# Altium PCB LimePSB-RPCM_1v2.PcbDoc (part 9 of 10)
Units mm, origin at the board's own origin, x right, y up, seen from the top; angles counter-clockwise.
Board outline 170 x 110 mm, 6 copper layers (Top, L2, L3, L4, L5, Bottom), stack 1.583 mm thick; 800 components, 483 nets, 3453 pads, 1534 vias.
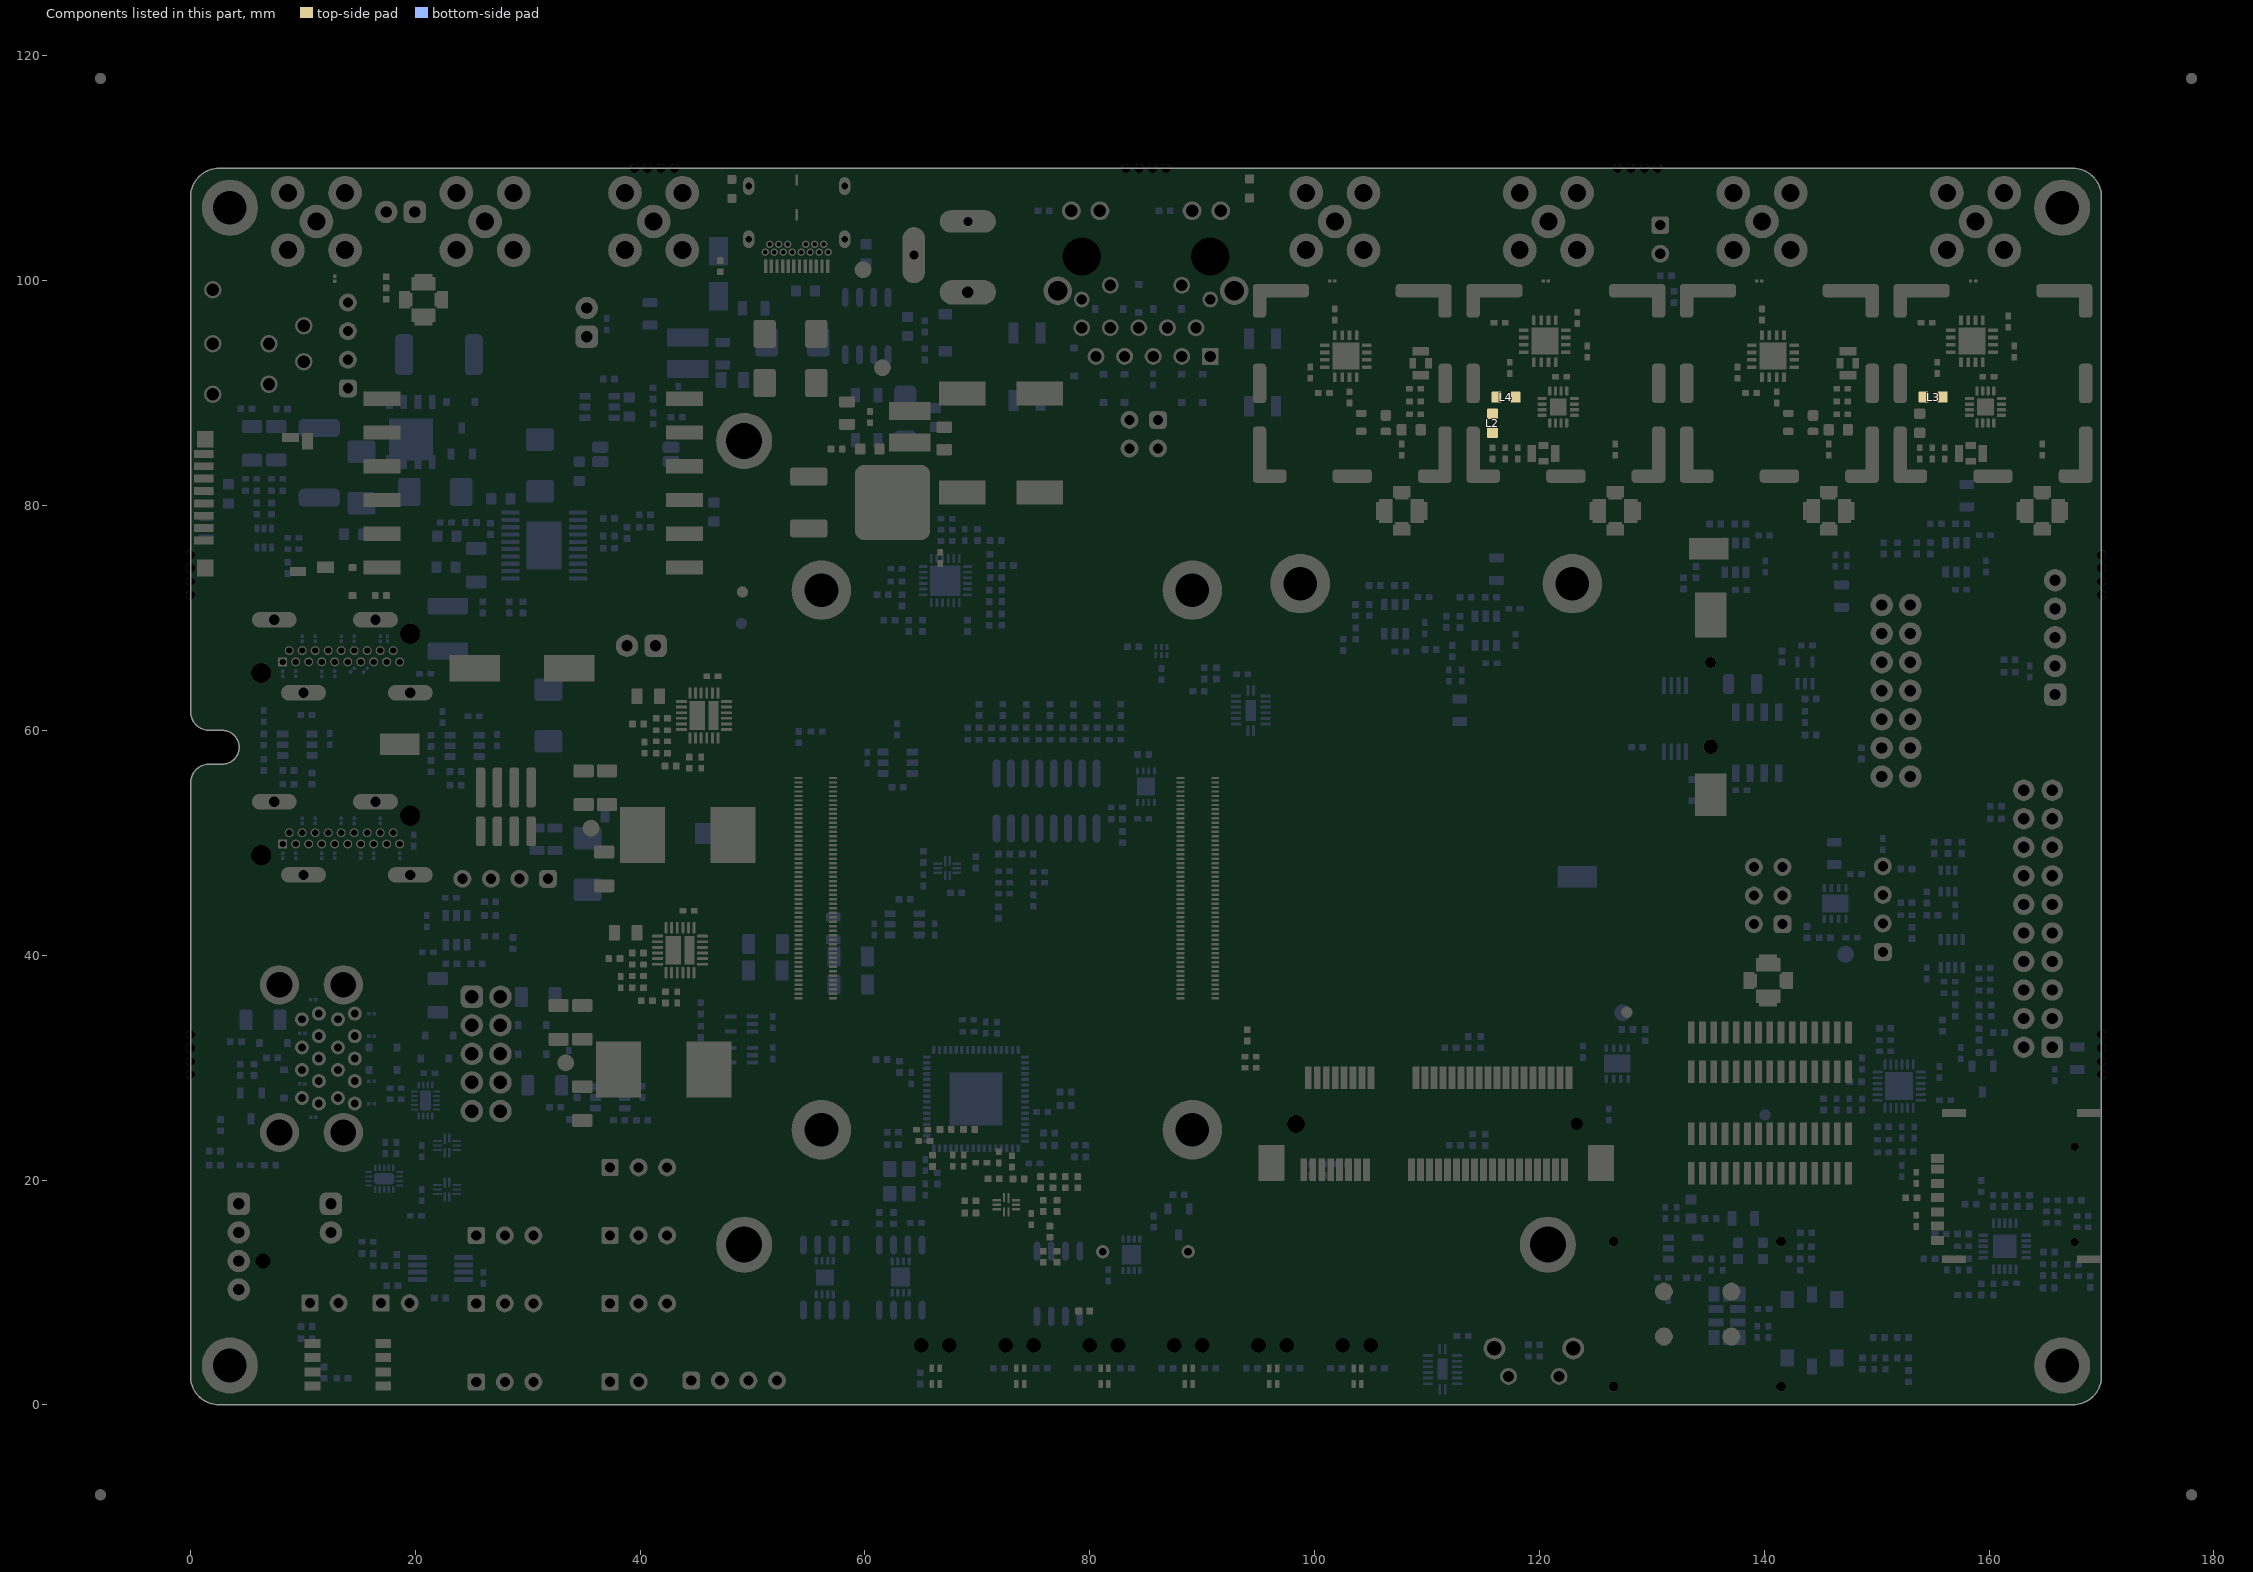
[diagram p13: the components of this part, seen from the top]

## Other copper
Top:
  pour cut-out: 119.275,94.125 119.275,93.225 118.6,93.225 ccw(c118.6,93) 118.375,93 118.375,91.75 ccw(c119.9,91.75) 119.9,90.225 121.175,90.225 121.175,87.75 119.065,87.75 cw(c119.065,90.29) 116.525,90.29 116.525,93.025 cw(c117.625,93.025) 117.625,94.125
  pour cut-out: 122.125,90.225 124.273,90.225 cw(c124.273,87.685) 126.069,89.481 127.081,88.469 cw(c125.285,86.673) 127.825,86.673 127.825,79.925 125.65,79.925 125.65,85.95 ccw(c123.9,85.95) 123.9,87.7 122.125,87.7
  pour cut-out: 119.75,105.3 119.75,99.15 ccw(c121.575,99.15) 121.575,97.325 122,97.325 cw(c122,96.525) 122.8,96.525 122.8,95.475 cw(c122.75,95.475) 122.75,95.425 121.675,95.425 121.675,94.475 123.3,94.475 ccw(c123.3,95.975) 124.8,95.975 124.8,97.025 ccw(c122.775,97.025) 122.775,99.05 cw(c122.775,99.975) 121.85,99.975 121.85,105.3
  pour cut-out: 10.125,104.4 10.125,101.415 ccw(c12.665,101.415) 12.665,98.875 14,98.875 cw(c14,97.668) 14.854,98.521 15.281,98.094 ccw(c17.077,99.89) 17.077,97.35 20.225,97.35 20.225,99.325 18.975,99.325 cw(c18.975,99.6) 18.7,99.6 18.7,106.45 ccw(c17.675,106.45) 17.675,107.475 17.1,107.475 ccw(c17.1,106.45) 16.075,106.45 16.075,103.475 cw(c13.825,103.475) 13.825,101.225 cw(c13.825,102.8) 12.25,102.8 12.25,104.4
  pour cut-out: 140.625,92.075 141.575,92.075 141.575,90.975 142.3,90.975 142.3,89.475 ccw(c142.975,89.475) 142.975,88.8 cw(c142.975,88.575) 143.2,88.575 143.2,87.575 cw(c142.825,87.575) 142.825,87.2 142.025,87.2 cw(c142.025,89.025) 140.2,89.025 140.2,90.107 cw(c140.968,90.107) 140.425,90.65 140.448,90.673 ccw(c140.021,91.1) 140.625,91.1
  pour cut-out: 141.275,94.5 141.275,95.875 cw(c142.775,95.875) 142.775,97.375 155.076,97.375 cw(c155.076,96.351) 155.8,97.075 ccw(c156.524,97.799) 156.524,96.775 157.275,96.775 157.275,95.125 156.175,95.125 156.175,95.05 cw(c155.95,95.05) 155.95,94.825 155.562,94.825 cw(c155.562,95.337) 155.2,94.975 ccw(c154.717,94.492) 154.717,95.175 142.675,95.175 ccw(c142.675,94.975) 142.475,94.975 142.475,94.5
  pour cut-out: 143.575,87.525 146.325,87.525 cw(c146.325,87.075) 146.775,87.075 146.775,79.95 144.7,79.95 144.7,84.975 ccw(c143.575,84.975) 143.575,86.1
  pour cut-out: 157.75,105.3 157.75,99.15 ccw(c159.575,99.15) 159.575,97.325 160,97.325 cw(c160,96.525) 160.8,96.525 160.8,95.475 cw(c160.75,95.475) 160.75,95.425 159.675,95.425 159.675,94.475 161.3,94.475 ccw(c161.3,95.975) 162.8,95.975 162.8,97.025 ccw(c160.775,97.025) 160.775,99.05 cw(c160.775,99.975) 159.85,99.975 159.85,105.3
  pour cut-out: 157.275,94.125 157.275,93.225 156.6,93.225 ccw(c156.6,93) 156.375,93 156.375,91.75 ccw(c157.9,91.75) 157.9,90.225 159.175,90.225 159.175,87.75 157.065,87.75 cw(c157.065,90.29) 154.525,90.29 154.525,93.025 cw(c155.625,93.025) 155.625,94.125
  pour cut-out: 160.125,90.225 162.273,90.225 cw(c162.273,87.685) 164.069,89.481 165.081,88.469 cw(c163.285,86.673) 165.825,86.673 165.825,79.925 163.65,79.925 163.65,85.95 ccw(c161.9,85.95) 161.9,87.7 160.125,87.7
  pour cut-out: 105.575,87.525 108.325,87.525 cw(c108.325,87.075) 108.775,87.075 108.775,79.95 106.7,79.95 106.7,84.975 ccw(c105.575,84.975) 105.575,86.1
  pour cut-out: 103.275,94.5 103.275,95.875 cw(c104.775,95.875) 104.775,97.375 117.076,97.375 cw(c117.076,96.351) 117.8,97.075 ccw(c118.524,97.799) 118.524,96.775 119.275,96.775 119.275,95.125 118.175,95.125 118.175,95.05 cw(c117.95,95.05) 117.95,94.825 117.562,94.825 cw(c117.562,95.337) 117.2,94.975 ccw(c116.717,94.492) 116.717,95.175 104.675,95.175 ccw(c104.675,94.975) 104.475,94.975 104.475,94.5
  pour cut-out: 102.625,92.075 103.575,92.075 103.575,90.975 104.3,90.975 104.3,89.475 ccw(c104.975,89.475) 104.975,88.8 cw(c104.975,88.575) 105.2,88.575 105.2,87.575 cw(c104.825,87.575) 104.825,87.2 104.025,87.2 cw(c104.025,89.025) 102.2,89.025 102.2,90.107 cw(c102.968,90.107) 102.425,90.65 102.448,90.673 ccw(c102.021,91.1) 102.625,91.1
  region net VCC3P3: 65.275,24.475 66.1,25.3 66.525,25.3 66.975,24.85 66.975,24.2 65.275,24.2
  region net VCC5P0_RFA: 121.915,93.825 122.765,93.825 123.09,93.5 123.09,90.965 122.95,90.825 122.05,90.825 121.915,90.96 121.915,91.15
  region net VCC5P0_TXA_PA: 121.05,85.4 122.25,85.4 122.475,85.175 122.475,84.1 122.25,83.875 121.05,83.875
  region net VCC_BARREL: 56.425,99.45 65.1,99.45 66.05,100.4 71.4,100.4 72.3,99.5 72.3,97.1 69.2,94 54.6,94 54.4,94.2 54.4,97.425
  region net VCC3P3: 33.625,27.175 31.825,28.975 31.825,33.025 33.275,34.475 40.2,34.475 41.15,33.525 41.15,27.175
  region net VCC3P3: 56.8,40.775
  region net VCC3P3: 56.8,40.775 57.575,40.775 57.875,41.075 57.875,43.85 58.125,44.1 58.95,44.1 59.2,43.85 59.2,41.125 58.45,40.375 56.8,40.375 56.75,40.425 56.75,40.725
  region net VCC3P3: 57.725,42.7 57.925,42.9 57.925,40.7 57.825,40.6 57.725,40.7
  region net VCC12P0_POE: 63.625,87.6 71.075,87.6 72.025,88.55 72.025,93.375 71.6,93.8 54.8,93.8 54.3,93.3 54.3,89.425 55.675,88.05 63.175,88.05
  region net NetC207_2: 60.7,84.725 59.1,83.125 59.1,77.4 61.15,75.35 69.35,75.35 70.775,76.775 70.775,84.525 69.1,86.2 66.35,86.2 66.15,86.4 60.825,86.4 60.7,86.275
  region net NetD4_1: 42.2,82.1 50.1,82.1 53.5,85.5 57.15,85.5 57.4,85.25 57.4,76.75 56.525,75.875 54.475,75.875 52.3,73.7 42.45,73.7 42.2,73.95
  pour cut-out: 16.55,92.25 32.425,92.25 37.575,87.1 37.575,64.925 35.95,63.3 22.07,63.3 20.524,64.845 20.524,68.859 18.678,70.706 13.719,70.706 13.125,71.3 13.125,87.675 14.925,89.475 14.925,90.625
  region net NetF1_2: 50.3,89.475 49.425,90.35 49.425,96.65 50.45,97.675 52.325,97.675 53.475,96.525 53.475,90.375 52.575,89.475
  pour cut-out: 138.75,105.275 138.75,94.5 140.275,94.5 140.275,95.6 140.85,95.6 140.85,105.275
  pour cut-out: 100.75,105.275 100.75,94.5 102.275,94.5 102.275,95.6 102.85,95.6 102.85,105.275
  region net VCC5P0: 35.75,48.05 36.5,47.3 38.225,47.3 41,44.525 45.625,44.525 47.25,42.9 47.25,40.8 49.675,38.375 54.725,38.375 54.9,38.55 54.9,40.4 54.55,40.75 53.375,40.75 51.825,42.3 51.825,45.35 49.325,47.85 45.875,47.85 42.825,50.9 36.875,50.9 35.75,49.775
  region net SCAP_TEMP: 26.325,48.15 25.475,47.3 25.475,46.475 24.7,45.7 22.275,45.7 21.8,46.175 21.8,48.775 22.225,49.2 22.225,56.3 23.3,57.375 25.775,57.375 26.325,56.825
  region net VCC_SCAP: 29.475,48.35 30.525,47.3 30.525,46.475 31.3,45.7 33.725,45.7 34.2,46.175 34.2,48.775 33.725,49.25 33.725,56.35 32.7,57.375 30.225,57.375 29.475,56.625
  region net VCC5P0_TXB_PA: 159.05,85.4 160.25,85.4 160.475,85.175 160.475,84.1 160.25,83.875 159.05,83.875
  region net GNDE2: 22,64.05 21.25,64.8 21.25,73.775 22.8,75.325 22.8,75.85 22.65,76 15.925,76 15.35,76.575 15.35,78.575 16.1,79.325 25.325,79.325 27.55,77.1 27.55,64.375 27.225,64.05
  region net NetD3_A: 19.375,84.275 19.525,84.125 19.525,79.875 19.375,79.725 15.575,79.725 15.3,80 15.3,84.05 15.525,84.275
  region: 29.225,66.75
  region net POE_IN+: 29.75,64.35 35.95,64.35 36.45,64.85 36.45,86.075 31.125,91.4 16.525,91.4 15.35,90.225 15.35,85.95 16.275,85.025 20.3,85.025 28.3,77.025 28.3,65.8
  region net VCC5P0_RXB_LNA: 146.675,93.325 146.675,94.3 146.75,94.375 147.44,94.375 147.44,93.325
  region net VCC5P0_RXB_LNA: 148.205,93.325 148.205,94.3 148.13,94.375 147.44,94.375 147.44,93.325
  region net VCC5P0_RFA: 101.975,91.85 101.975,91 101.65,90.675 98.875,90.675 98.725,90.825 98.725,91.725 98.85,91.85 99.3,91.85
  region net VCC5P0_RXA_LNA: 108.675,93.325 108.675,94.3 108.75,94.375 109.44,94.375 109.44,93.325
  region net VCC5P0_RXA_LNA: 110.205,93.325 110.205,94.3 110.13,94.375 109.44,94.375 109.44,93.325
  region net VCC5P0_RFB: 139.975,91.85 139.975,91 139.65,90.675 136.875,90.675 136.725,90.825 136.725,91.725 136.85,91.85 137.3,91.85
  region net VCC5P0_RFB: 159.915,93.825 160.765,93.825 161.09,93.5 161.09,90.965 160.95,90.825 160.05,90.825 159.915,90.96 159.915,91.15
  region net NetC241_2: 46.25,59.875 46.075,60.05 46.075,62.6 46.3,62.825 46.3,63.05 46.55,63.05 46.55,62.825 46.975,62.4 46.975,60.4 47.175,60.2 49.025,60.2 51.275,57.95 51.275,48.2 46.25,48.2
  region net NetC247_1: 42.125,59.325 43.8,59.325 44.3,59.825 44.55,59.825 44.55,58.75 43.325,57.525 42.125,57.525
  region net GND: 46.8,62.812 46.8,64.037 47.025,64.262 48.35,64.262 48.9,63.712 48.9,60.887 48.45,60.437 47.175,60.437 47.175,62.762 47.125,62.812
  region net VCC_INT: 41.225,63.937 41.225,61.915 44.175,61.915 44.175,62.7 44.3,62.825 45.575,62.825 45.575,64.4 45.3,64.675 41.963,64.675
  region net VCC5P0: 35.75,48.05 34.075,49.725 34.075,53.925 35.5,55.35 42.325,55.35 43.275,54.4 43.275,48.05
  region net GND: 44.675,41.937 44.675,43.162 44.9,43.387 46.225,43.387 46.775,42.837 46.775,40.012 46.325,39.562 45.05,39.562 45.05,41.887 45,41.937
  region net NetC238_1: 40,38.45 41.675,38.45 42.175,38.95 42.425,38.95 42.425,37.875 41.2,36.65 40,36.65
  region net NetC229_2: 44.125,39 43.95,39.175 43.95,41.725 44.175,41.95 44.175,42.175 44.425,42.175 44.425,41.95 44.85,41.525 44.85,39.525 45.05,39.325 46.9,39.325 49.15,37.075 49.15,27.325 44.125,27.325
  region net VCC_INT: 39.1,43.062 39.1,41.04 42.05,41.04 42.05,41.825 42.175,41.95 43.45,41.95 43.45,43.525 43.175,43.8 39.838,43.8
L2:
  pour cut-out: 18.525,97.285 18.525,99.36 20.075,99.36 20.075,97.285
  pour cut-out: 163.7,81.725 165.775,81.725 165.775,80.175 163.7,80.175
  pour cut-out: 144.7,81.725 146.775,81.725 146.775,80.175 144.7,80.175
  pour cut-out: 125.7,81.725 127.775,81.725 127.775,80.175 125.7,80.175
  pour cut-out: 106.7,81.725 108.775,81.725 108.775,80.175 106.7,80.175
L3:
  region net VCC3P3: 99.75,30.375 100.675,31.3 101.625,31.3 103.725,29.2 106.475,29.2 109.075,26.6 111.425,26.6 111.7,26.875 111.7,28.075 105.7,34.075 100.1,34.075 98.65,32.625 98.65,30.625 98.9,30.375
  region net ETH_VC2: 95,94.4 94.8,94.2 93.525,94.2 93.325,94.4 93.325,96.11 93.725,96.51 94.55,96.51 95,96.06
  region net ETH_VC3: 74.75,94.925 74.975,94.7 76.15,94.7 76.45,95 76.425,95.025 76.425,96.425 76.025,96.825 75.2,96.825 74.75,96.375
  region net VCC5P0_RXA_LNA: 111.975,94.375 112.55,93.8 111.975,93.225 109.325,93.225 108.775,93.775 108.775,94.175 108.975,94.375
  region net VCC5P0_RXA_LNA: 111.5,92.05 110.25,93.3 110.25,93.575 110.475,93.8 112.55,93.8 112.55,92.9 111.7,92.05
  region net VCC5P0_RXB_LNA: 149.5,92.05 148.25,93.3 148.25,93.575 148.475,93.8 150.55,93.8 150.55,92.9 149.7,92.05
  region net VCC5P0_RXB_LNA: 149.975,94.375 150.55,93.8 149.975,93.225 147.325,93.225 146.775,93.775 146.775,94.175 146.975,94.375
  text "A" at 1.45,7.65 h0.7
  text "V" at 2.45,7.65 h0.7
  text "D" at 3.55,7.65 h0.7
  text "R" at 4.1,7.65 h0.7
  text "L" at 1.925,7.075 h0.7
L4:
  region net USB_VBUS_IN: 55.5,102.25 55.9,101.85 61.625,101.85 63.2,100.275 63.2,98.05 62.95,97.8 61.425,97.8 59.375,99.85 56.025,99.85 55.5,100.375
  region net USB_VBUS_IN: 52.575,102.875 52.35,102.65 52.35,101.5 51.975,101.125 52.775,100.325 55.35,100.325 55.85,100.825 55.85,101.275 55.5,101.625 55.5,102.675 55.275,102.9 54.975,102.9 54.75,102.675 54.75,102.35 54.4,102 53.4,102 53.1,102.3 53.1,102.65 52.875,102.875
  region net GNDE1: 39.175,79.025 39.725,78.475 39.725,76.425 39.425,76.125 38.575,76.125 38.125,76.575 38.125,78.775 38.375,79.025
Bottom:
  region net NetC50_2: 6.175,23.225 6,23.4 6,25.725 5.725,26 4.95,26 4.4,25.45 4.4,23.65 4.875,23.175 4.875,23 5.95,23
  region net GNDE2: 16.375,76.325 19.75,76.325 19.9,76.475 19.9,78.525 19.75,78.675 16.375,78.675
  region net VCC5P0: 38.325,31.562 38.688,31.925 41.825,31.925 42.525,31.225 42.525,29.8 41.21,28.485 39.315,28.485 38.325,29.475
  region net VCC5P0: 38.325,31.562 38.325,28.725 38.035,28.435 38.485,27.985 40.71,27.985 41.21,28.485 41.21,29.585 39.233,31.562
  region net VCC5P0_USBH: 36.535,28.035 36.385,27.885 33.91,27.885 33.562,27.537 32.437,27.537 32.437,29.037 33.285,29.885 36.11,29.885 36.535,29.46
  region net VCC5P0_USBH: 37.612,30.537 37.275,30.537 36.535,29.797 36.535,29.46 33.71,29.46 33.285,29.885 33.285,30.697 33.425,30.837 33.9,30.837 35.2,32.137 37.35,32.137 37.925,31.562 37.925,30.85
  region net USB_VBUS_IN: 33.725,65.65 34.575,64.8 34.575,62.35 34.35,62.125 32.675,62.125 32.2,62.6 30.725,62.6 30.475,62.85 30.475,64.575 31.55,65.65
  region net USB_VBUS_IN: 65.575,75 65.325,75.25 64.4,75.25 64.175,75.025 64.175,74.375 64.35,74.2 64.6,74.2 64.7,74.3 65.425,74.3 65.575,74.45
  region net USB_VBUS_IN: 52.375,100.6 53.15,99.825 59.625,99.825 60.375,99.075 60.375,97.7 61.925,96.15 64.975,96.15 65.675,96.15 65.825,96.3 65.825,97.475 64.575,98.725 61.25,102.05 55.775,102.05 55.5,102.325 55.5,102.65 55.275,102.875 54.95,102.875 54.775,102.7 54.775,102.25 54.575,102.05 53.375,102.05 53.1,102.325 53.1,102.65 52.875,102.875 52.575,102.875 52.375,102.675
  region net VCC_SCAP: 33.738,49.1 33.113,49.725 30.075,49.725 29.625,49.275 29.625,48.35 30.55,47.425 30.55,43.65 30.975,43.225
  region net NetF2_2: 29.325,50.65 29.325,52.225 30.225,53.125 36.75,53.125 37.275,52.6 37.275,50.325 36.35,49.4 33.75,49.4 32.875,50.275 29.7,50.275
  region net VCC_SCAP: 30.975,48.85 30.975,43.225 31.525,42.675 36.134,42.675 36.8,43.341 36.8,48.55 36.25,49.1 31.225,49.1
  region net NetC216_1: 16.7,79.3 16.3,78.9 15.4,78.9 14.5,78 14.5,76.9 14.25,76.65 12.95,76.65 9.625,79.975 9.625,81.3 9.85,81.525 16.225,81.525 16.7,81.05
  region net NetD3_A: 22.025,87.375 22.025,82.9 21.775,82.65 21.775,81.125 20.6,79.95 18.05,79.95 16.525,81.475 16.525,86.725 17.575,87.775 21.625,87.775
  region net GNDE2: 16.375,78.675 15.475,78.675 14.9,78.1 14.9,76.9 15.475,76.325 16.375,76.325 16.5,76.45 16.5,78.55
  region net NetD3_A: 17.825,87.775 9.9,87.775 9.625,87.5 9.625,86.325 10.325,85.625 10.325,84.9 12.3,82.925 15.95,82.925 17.05,81.825 17.75,81.825 17.825,81.9
  region net VCC3P3: 127.8,29.425 128.725,29.425 128.925,29.225 128.925,26.65 128.175,25.9 125.9,25.9 125.075,26.725 125.075,29.075 125.4,29.4 126.05,29.4 126.25,29.2 126.25,28.55 126.425,28.375 127.425,28.375 127.625,28.575 127.625,29.275 127.775,29.425
  region net VCC3P3: 10.5,61.723 10.5,60.113 10.21,59.823 10.66,59.373 12.885,59.373 13.385,59.873 13.385,60.973 12.635,61.723
  region net VCC3P3: 111,26.45 112.075,25.375 115.2,25.375 116.275,24.3 116.275,21.575 113.35,18.65 113.35,14.025 114.05,13.325 117.125,13.325 117.85,14.05 117.85,16.375 121.7,20.225 121.7,25.025 123.65,26.975 123.65,28.1 123.05,28.7 111.5,28.7 111,28.2
  region net VCC3P3: 125.9,25.9 121.825,25.9 121.175,26.55 121.175,27.925 122.65,29.4 125.4,29.4 125.9,28.9
  region net VCC3P3: 26.858,40.042 27.05,39.85 27.475,39.85 27.8,40.175 27.8,40.7 27.525,40.975 27,40.975 26.858,40.833
  region net VCC3P3: 128.175,25.9 128.925,25.15 134.55,25.15 134.9,25.5 134.9,31.075 133.825,32.15 132.85,32.15 130.125,29.425 128.725,29.425 128.175,28.875
  region net VCC3P3: 56.425,43 56.425,43.575 56.75,43.9 57.325,44.475 59.2,44.475 59.225,44.45 59.225,43.125 59.1,43
  region net VCC3P3: 12.323,59.373 13.148,59.373 13.385,59.61 13.385,60.435
  pour cut-out: 15.675,89.942 15.675,95.525 16.675,96.525 27.575,96.525 34.325,89.775 34.325,86.925 26.7,79.3 11.225,79.3 9.3,81.225 9.3,87.95 10.975,89.625 15.358,89.625
  pour cut-out: 15.95,88.925
  pour cut-out: 29.825,71.6 32.05,69.375 44.125,69.375 49.45,74.7 53.598,74.7 60.573,81.675 76.575,81.675 80.225,78.025 89.225,78.025 97.9,86.7 97.9,91.025 95.775,93.15 92.65,93.15 90.408,90.908 90.408,88.175 86.404,84.171 83.529,84.171 77.9,89.799 77.9,92.975 76.775,94.1 68.5,94.1 66.294,91.894 56.852,91.894 48.371,83.413 41.998,83.413 37.21,88.2 33.525,88.2 29.825,84.5
  region net ETH_VC2: 93.5,95.76 93.325,95.585 93.325,94.16 93.575,93.91 94.775,93.91 94.95,94.085 94.95,95.585 94.775,95.76
  region net ETH_VC3: 75,96.275 74.825,96.1 74.825,94.675 75.075,94.425 76.275,94.425 76.45,94.6 76.45,96.1 76.275,96.275
  region net GNDE1: 47.15,79.025 43.175,79.025 41.5,77.35 40.375,77.35 40.6,77.125 45.25,77.125
  region net GNDE2: 25.55,90.025 28.5,87.075 32.275,87.075 32.475,86.875 32.475,84.7 32.325,84.55 33.45,83.425 37.025,83.425 37.2,83.6 37.2,84.25 37.05,84.4 35.575,84.4 35.175,84.8 35.175,86.6 34.3,87.475 34.3,88.475 27.35,95.425 24.425,95.425 24.15,95.15 24.15,90.025
  region net VCC5P0: 28.5,54.75 29.775,56.025 29.9,56.025 30.025,55.9 30.025,54.15 29.1,54.15
  region net NetF1_2: 49.975,92.15 50.325,91.8 53.825,91.8 54.225,92.2 54.225,97.325 52.85,98.7 50.35,98.7 49.975,98.325
  region net GNDE2: 21.35,69.875 22.175,69.05 27.675,69.05 28.7,70.075 28.7,70.75 27.025,70.75 26.275,70 25.575,70 25.4,70.175 25.4,70.725 21.4,70.725 20.95,70.275
  region net GNDE1: 33.925,74.825 33.475,75.275 33.475,76.325 32.925,76.875 32.675,76.625 32.675,75 32.85,74.825
  region net GNDE1: 37.425,78.5 39.125,78.5 39.25,78.625 39.25,79.225 38.925,79.55 37.775,79.55 37.425,79.2
  region net GNDE2: 24.625,91.225 24.95,91.55 26.15,91.55 26.775,92.175 26.775,95 26.35,95.425 24.4,95.425 23.525,94.55 23.525,91.575 23.875,91.225
  region net VCC5P0: 145.534,66.291 143.75,68.075 132.7,68.075 122.6,57.975 112.325,57.975 111.55,58.75 111.55,60.575 112.175,61.2 120.525,61.2 130.251,70.926 145.557,70.926
  region net VCC5P0: 146.975,49.65 148.125,50.8 148.125,58.75 148.9,59.525 148.9,70.075 147.625,71.35 145.85,71.35 143.985,69.485 143.985,67.29 144.35,66.925 144.9,66.925 145.225,66.6 145.225,59.025 144.775,58.575 144.775,50.35 145.475,49.65
  region net VCC5P0: 21.41,46.115 21.97,46.675 22.35,46.675 23.158,45.867 23.158,45.315 22.958,45.115 22.41,45.115
  region net VCC_FAN: 2.375,23.475 2.375,24.325 2.725,24.675 3.55,24.675 3.875,24.35 3.875,23.925 3.425,23.475
  region net VCC1P5: 125.575,31.6 122.575,31.6 122.125,31.15 122.125,29.775 121.4,29.05 112.4,29.05 112.225,29.225 112.225,30.775 112.6,31.15 113.05,31.15 113.575,30.625 115.15,30.625 115.475,30.95 115.475,33.125 114.475,34.125 107.825,34.125 103.7,30 100.525,30 100.2,30.325 100.2,32.7 104.65,37.15 116.525,37.15 118.175,35.5 125.775,35.5 125.9,35.625 125.9,31.925
  region net VCC1P5: 126.775,33.975
  region net GND: 47.95,107.525 50.025,107.525 50.225,107.725 50.225,109.125 50,109.35 47.95,109.35
  region net VCC5P0: 29.5,57.435 29.5,53.5 29.6,53.4 36.875,53.4 37.2,53.725 37.2,55.175 30.752,61.623 27.51,61.623 27.51,59.425
  region net VCC3P3_RPI: 56.275,40.525 56.275,41.65 56.425,41.8 57.925,41.8 58.025,41.7 58.025,40.575 57.975,40.525
  region net VCC3P3_RPI: 56.275,39.275 56.625,38.925 57.025,38.925 57.2,38.75 57.9,38.75 58.025,38.875 58.025,40.575 57.8,40.8 56.55,40.8 56.275,40.525
  region net VCC1P8_RPI: 56.45,38.775 56.275,38.6 56.275,36.55 56.55,36.275 57.75,36.275 58.025,36.55 58.025,38.3 57.825,38.5 57.1,38.5 56.825,38.775
  region net VCC5P0: 52.05,37.725 54.15,37.725 54.9,38.475 54.9,41.125 54.1,41.925 52.075,41.925 51.95,41.8 51.95,37.825
  region net VCC5P0_HDMI: 20.335,61.173 19.052,61.173 17.375,62.85 17.375,63.775 17.875,64.275 20.025,64.275 20.65,64.9 20.65,66.7 19.775,67.575 19.1,67.575 18.8,67.875 17.975,67.875 17.625,67.525 17.625,66.95 17.975,66.6 18.825,66.6 19.175,66.25 19.175,65.875 18.875,65.575 16.35,65.575 15.1,64.325 15.1,61.225 18.725,57.6 18.725,57.425 20.335,59.035
  region net VCC5P0_HDMI: 20.335,61.173 18.45,59.288 18.45,55.15 20.675,52.925 20.675,51.9 20.15,51.375 19.1,51.375 18.8,51.675 17.9,51.675 17.55,51.325 17.55,50.725 17.875,50.4 21.3,50.4 22.2,51.3 22.2,54.3 20.612,55.888 20.612,58.825
  region net VCC_INT: 37.775,49.525 37.775,54.875 35.075,57.575 35.075,68.175 35.65,68.75 39.75,68.75 40.125,68.375 40.125,66.475 40.4,66.2 43.725,66.2 44.6,65.325 44.6,62.175 43.825,61.4 40.675,61.4 40.075,60.8 40.075,59.3 44.025,55.35 44.025,48.837 38.462,48.837
  region net VCC_INT: 37.701,43.125 38.45,43.125 39.1,42.475 43.95,42.475 44.85,43.375 44.85,48.013 42.362,50.5 37.9,50.5 37.726,50.326
  region net VCC5P0_RXA_LNA: 109.698,73.94 110.706,74.948 116.927,74.948 117.35,75.371 117.35,77.35 116.525,78.175 109.75,78.175 107.35,75.775 107.35,74.788
  region net VCC5P0_RFA: 110.148,66.765 110.148,65.823 109.75,65.425 108.275,65.425 107.798,65.902 107.798,66.515
  region net VCC5P0_RFA: 107.798,66.515 107.798,64.327 110.05,62.075 116.625,62.075 118.225,63.675 118.225,65.725 115.925,65.725 115,64.8 111.575,64.8 109,67.375 108.56,67.375 107.85,66.665
  region net VCC5P0_RXB_LNA: 158.775,81.4 158.775,82.425 158.55,82.65 155.7,82.65 155.5,82.45 155.5,81.375 155.7,81.175 158.55,81.175
  region net VCC5P0_RFB: 138.085,71.987 138.572,71.5 145.425,71.5 145.875,71.95 149.3,71.95 149.725,72.375 153.5,72.375 156.225,69.65 159.075,69.65 160.073,70.648 160.073,72.265 157.815,72.265 157.65,72.1 156.625,72.1 153.825,74.9 142.975,74.9 142.447,74.372 139.357,74.372 138.085,73.1
  region net VCC3P3_SD: 8.71,59.423 8.56,59.273 6.085,59.273 5.737,58.925 4.612,58.925 4.612,60.425 5.46,61.273 8.285,61.273 8.71,60.848
  region net VCC1P5: 126.35,31.425 126.35,32.15 126.475,32.275 126.875,32.275 127.825,33.225 127.825,35.225 127.425,35.625 125.9,35.625 125.45,35.175 125.45,33.2 125.025,32.775 125.025,31.6 125.3,31.325 126.25,31.325